# KiCad board Panel.kicad_pcb (continued)
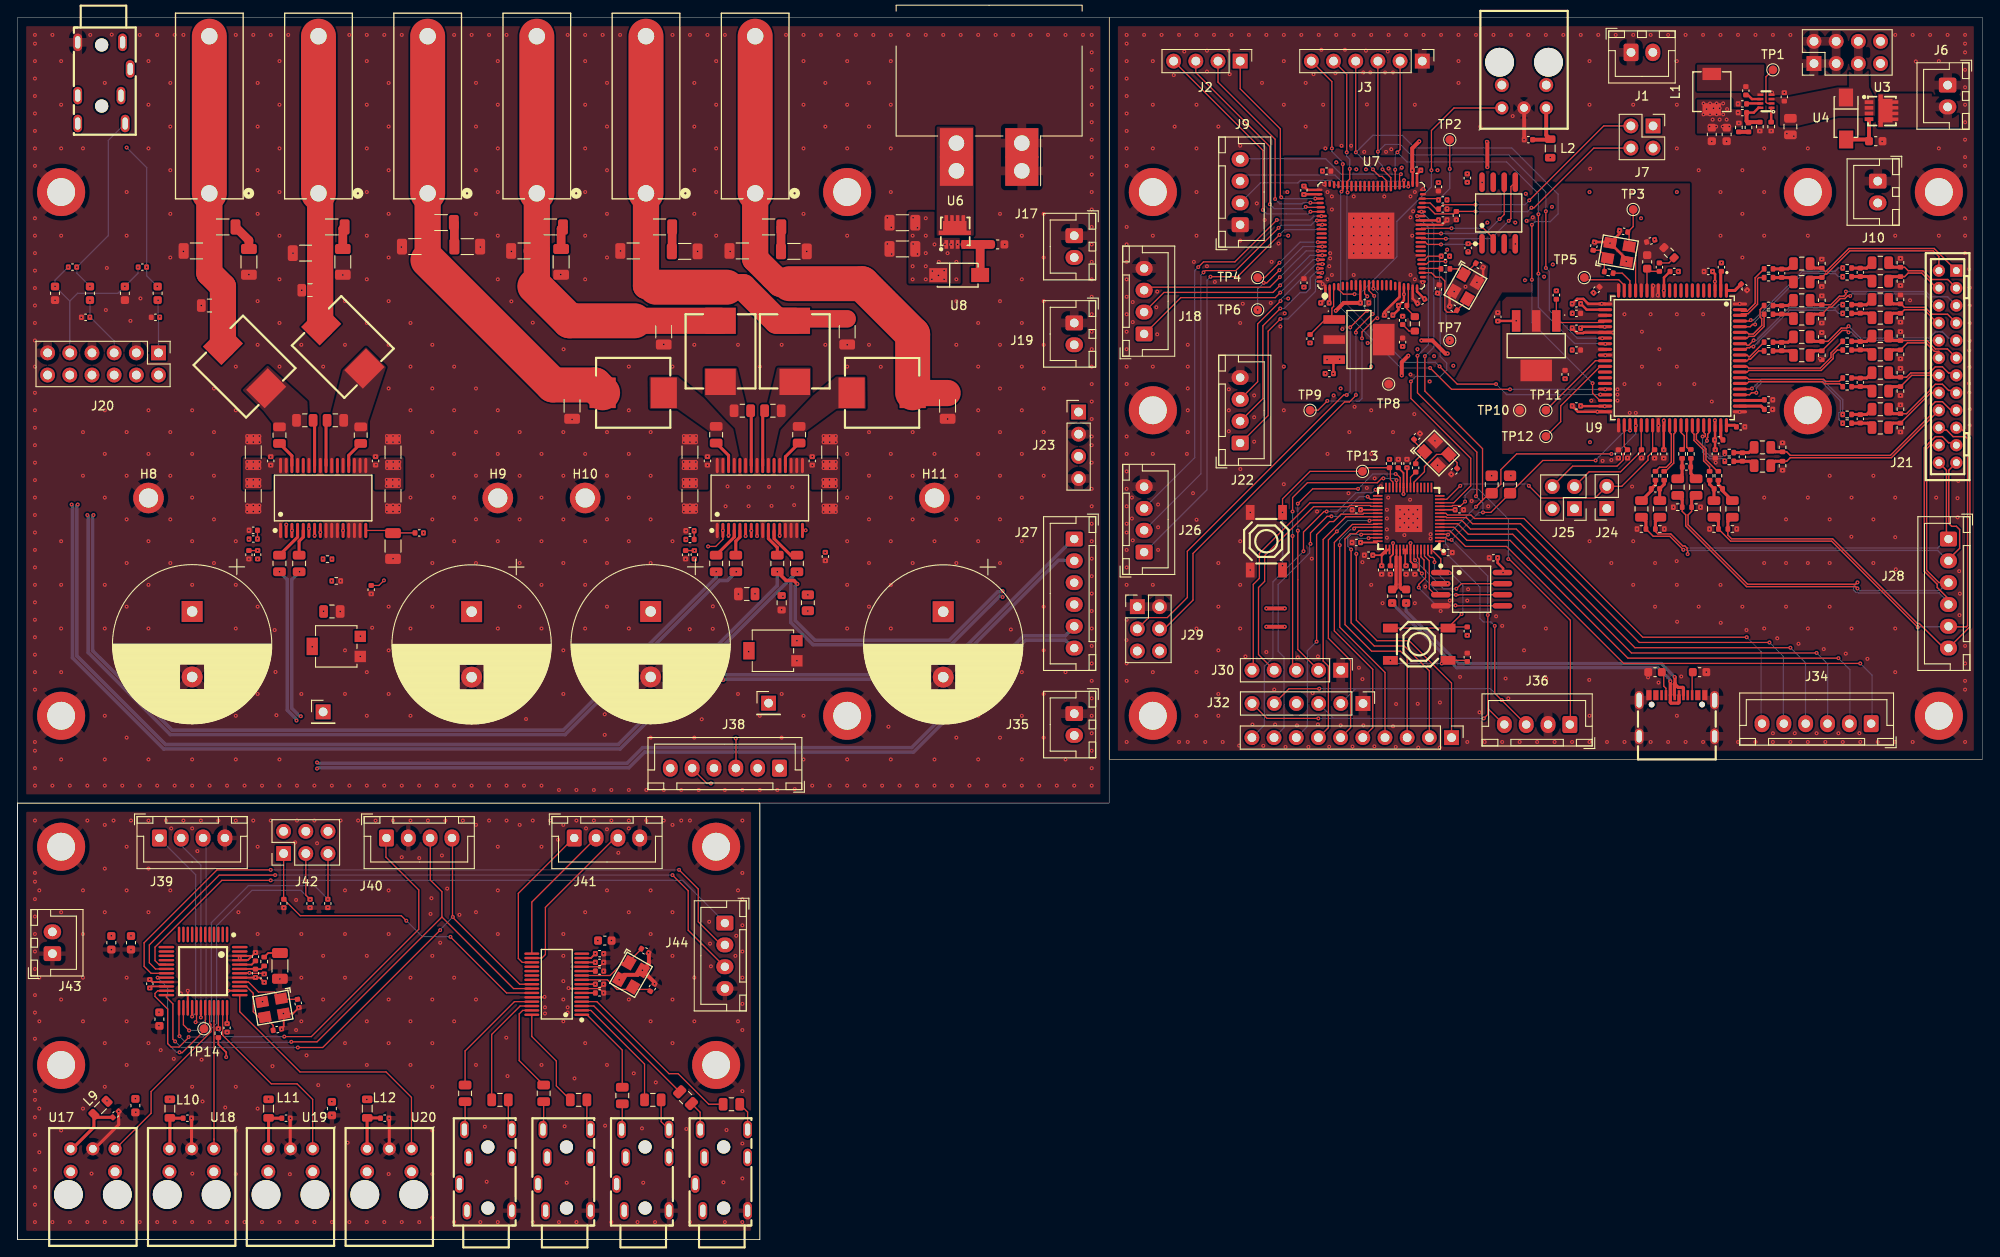
[diagram p0: board, top side]
## Routing (per net, layer and track width the routed paths; a pad name or vN(x,y) marks a point on that pad's centre or on a via; arc(x,y) is an arc through that point) (continued)
/ADAU1467/ADDITIONAL_BLCK: length 46.7
  Top w0.143: U7.73 149.31,117.25 v1(149.3,117.24) ; v1(144.2,116.8) 139.4,112 135.8,112 v1(135.2,111.4)
  Bottom w0.143: v1(144.2,116.8) 148,116.8 148.44,117.24 v1(149.3,117.24) ; 129,83.77 134.8,89.57 134.8,111 v1(135.2,111.4)
/ADAU1467/ADDITIONAL_LRCLK: length 48.4
  Top w0.143: U7.74 148.81,116.75 v1(148.79,116.74) ; v1(144.4,115.9) 139.5,111 136,111 v1(135.8,110.8)
  Bottom w0.143: v1(135.8,110.8) 135.5,110.5 135.5,87.73 129,81.23 ; v1(144.4,115.9) 144.7,116.2 148.1,116.2 148.64,116.74 v1(148.79,116.74)
/ADAU1467/ADDITIONAL_SDATA: length 50.1
  Top w0.143: U7.75 149.39,116.25 v1(149.4,116.26) ; v1(144.5,115.1) 139.7,110.3 v1(136.6,110.3)
  Bottom w0.143: v1(136.6,110.3) 136.2,109.9 136.2,85.89 129,78.69 ; v1(144.5,115.1) 145.1,115.7 148.84,115.7 v1(149.4,116.26)
/ADAU1467/AUXADC0: length 52.1
  Top w0.143: J29.3 129.51,71.25 131.65,71.25 133.95,73.55 133.95,78.85 151.85,96.75 v1(152.2,96.75) ; v1(152.6,104.5) 154.5,106.4 v1(154.55,106.4) ; v1(154.55,108.05) 154.25,108.35 U7.10
  Bottom w0.143: v1(154.55,108.05) 154.25,107.75 154.25,106.7 v1(154.55,106.4) ; v1(152.6,104.5) 152.6,97.15 v1(152.2,96.75)
/ADAU1467/AUXADC1: length 50.5
  Top w0.143: v1(153.25,96.75) 153.25,96.7 152.5,95.95 151.95,95.95 134.6,78.6 134.6,73.25 131.31,69.96 J29.4 ; v1(155.35,108.1) 154.75,108.7 U7.11 ; v1(155.18,106.03) 155.12,106.03 153.25,104.15 v1(153.25,103.9)
  Bottom w0.143: v1(155.35,108.1) 155.35,106.2 v1(155.18,106.03) ; v1(153.25,103.9) v1(153.25,96.75)
/ADAU1467/DAC_BLCK: length 58.2
  Top w0.143: U7.51 157.25,121.65 v1(156.3,122.6) ; U9.27 181.48,103.28 v1(181.45,103.25) ; v1(155.77,124.62) J3.3 ; v1(175,111.3) v1(175,117.8)
  Bottom w0.143: v1(156.3,122.6) 156.3,123 155.77,123.53 v1(155.77,124.62) 156.6,125.45 158.35,125.45 159.55,124.25 170.75,124.25 175,120 v1(175,117.8) ; v1(175,111.3) 175.4,110.9 175.4,106.45 178.6,103.25 v1(181.45,103.25)
/ADAU1467/DAC_DATA0: length 72.4
  Top w0.143: J3.4 153.23,124.57 v1(153.25,124.55) ; v1(180.35,98.1) 180.35,96.95 181.18,96.12 U9.38 ; v1(155.2,122.6) 155.2,122.55 155.95,121.8 156.25,121.8 156.75,121.3 U7.52 ; v1(173.4,109.95) v1(173.4,116.25)
  Bottom w0.143: v1(180.35,98.1) 173.4,105.05 v1(173.4,109.95) ; v1(173.4,116.25) 173.75,116.6 175.5,116.6 176.4,117.5 176.4,119.75 171.1,125.05 160,125.05 158.55,126.5 155.2,126.5 v1(153.25,124.55) v1(155.2,122.6)
/ADAU1467/DAC_DATA1: length 62.7
  Top w0.143: v1(152.3,119.95) 152.25,120 U7.61 152.25,121.2 152.55,121.5 v1(152.55,122.65) ; U9.37 181.28,96.77 v1(181.25,96.8) ; v1(162.82,100.03) 164.85,98 v1(169.3,98) ; J3.5 152.2,133.49 v1(152.2,124.55)
  Bottom w0.143: v1(169.3,98) 170.5,96.8 v1(181.25,96.8) ; v1(162.82,100.03) 162.35,100.5 158.85,100.5 152.22,107.12 152.22,119.87 v1(152.3,119.95) ; v1(152.55,122.65) 152.55,123.75 152.2,124.1 v1(152.2,124.55)
/ADAU1467/DAC_DATA2: length 64.1
  Top w0.143: v1(150.5,125) 150.5,132.65 J3.6 ; v1(151.75,123.2) U7.62 151.75,120.2 v1(151.6,120.05) ; v1(170.9,97.4) 164.2,97.4 v1(161.75,99.85) ; U9.36 181.78,97.42 v1(181.8,97.4)
  Bottom w0.143: v1(161.75,99.85) 158.4,99.85 151.5,106.75 151.5,119.95 v1(151.6,120.05) ; v1(181.8,97.4) v1(170.9,97.4) ; v1(151.75,123.2) 151.75,123.4 150.5,124.65 v1(150.5,125)
/ADAU1467/DAC_LRCLK: length 55
  Top w0.143: J3.2 158.31,124.86 v1(158,124.55) ; U9.28 181.78,102.62 v1(181.8,102.6) ; v1(174.15,110.65) v1(174.15,117.45) ; U7.50 v1(157.75,122.55)
  Bottom w0.143: v1(174.15,117.45) 174.15,119.8 170.5,123.45 159.1,123.45 v1(158,124.55) 157.75,124.3 v1(157.75,122.55) ; v1(174.15,110.65) 174.15,106.8 178.3,102.65 181.75,102.65 v1(181.8,102.6)
/ADAU1467/PCM1865_BLCK: length 20
  Top w0.143: 140,96.27 142,98.27 142,104.89 144.62,107.51 v1(144.62,107.52) ; U7.84 149.39,111.75 v1(149.4,111.74)
  Bottom w0.143: v1(144.62,107.52) 144.62,107.68 148.68,111.74 v1(149.4,111.74)
/ADAU1467/PCM1865_LRCLK: length 22.1
  Top w0.143: 140,93.73 142.6,96.33 142.6,104.67 v1(144.59,106.66) ; U7.85 v1(148.9,111.25)
  Bottom w0.143: v1(148.9,111.25) 148.9,111.09 148.02,110.2 148.02,108.97 147.53,108.48 146.86,108.48 145.04,106.66 v1(144.59,106.66)
/ADAU1467/PCM1865_SDATA: length 24.2
  Top w0.143: U7.86 v1(149.39,110.75) ; v1(144.6,105.46) 143.2,104.06 143.2,94.39 140,91.19
  Bottom w0.143: v1(149.39,110.75) 149.39,110.71 148.62,109.94 148.62,108.62 145.46,105.46 v1(144.6,105.46)
/ADAU1467/PCM9211_BLCK: length 22.2
  Top w0.143: v1(148.9,113.26) 148.91,113.25 U7.81 ; v1(144.54,110.25) 143.39,109.1 129.33,109.1 129,108.77
  Bottom w0.143: v1(148.9,113.26) 147.55,113.26 v1(144.54,110.25)
/ADAU1467/PCM9211_LRCLK: length 23.2
  Top w0.143: U7.82 149.39,112.75 v1(149.4,112.76) ; v1(144.57,109.31) 143.76,108.5 131.27,108.5 129,106.23
  Bottom w0.143: v1(149.4,112.76) 148.02,112.76 v1(144.57,109.31)
/ADAU1467/PCM9211_SDATA: length 23.8
  Top w0.143: v1(148.9,112.26) 148.91,112.25 U7.83 ; 129,103.69 129,103.7 133.2,107.9 144.01,107.9 v1(144.59,108.48)
  Bottom w0.143: v1(148.9,112.26) 148.37,112.26 v1(144.59,108.48)
/ADAU1467/SPDIFIN: length 34.2
  Top w0.143: v1(153.1,108.3) 151.82,108.3 151.25,108.87 U7.4 ; v1(161.9,122.5) 161.9,127.05 164.48,129.63 U1.1
  Bottom w0.143: v1(153.1,108.3) 153.65,108.3 157.95,112.6 157.95,116.65 161.9,120.6 v1(161.9,122.5)
/ADAU1467/SPI_MISO: length 9.6
  Top w0.143: U5.2 168.97,114.73 v1(167.7,116) ; v1(164.2,115.85) 160.77,115.85 U7.35
  Bottom w0.143: v1(167.7,116) 167.55,115.85 v1(164.2,115.85)
/ADAU1467/SPI_MOSI: length 15.7
  Top w0.143: U7.33 160.77,114.65 v1(163.55,114.65) ; U5.5 171,120.63 171,116.95 v1(170.75,116.7)
  Bottom w0.143: v1(170.75,116.7) 168.7,114.65 v1(163.55,114.65)
/ADAU1467/SPI_SCLK: length 14.2
  Top w0.143: v1(169.7,116.9) 170.23,117.43 U5.6 ; U7.34 v1(163,115.25)
  Bottom w0.143: v1(163,115.25) 168.05,115.25 v1(169.7,116.9)
/ADAU1467/SPI_SS: length 7.2
  Top w0.143: R16.2 v1(166.11,114.07) U5.1 ; v1(163,114) 161.45,114 161.2,114.25 U7.32
  Bottom w0.143: v1(166.11,114.07) 166.04,114 v1(163,114)
/ADAU1467_ADDR0: length 28.2
  Top w0.143: v1(173.1,119.05) 181.62,127.58 J7.3 ; U7.41 161.75,118.75 162.45,118.05 162.7,118.1 R7.2 163.22,118.55 v1(166.95,118.55)
  Bottom w0.143: v1(173.1,119.05) 172.6,118.55 v1(166.95,118.55)
/ADAU1467_ADDR1: length 27.5
  Top w0.143: R8.2 164.47,117.5 162.3,117.5 161.55,118.25 U7.40 ; R8.2 164.77,117.8 164.75,117.8 R8.2 ; R8.2 v1(166.95,117.78) ; v1(173.35,118.2) 173.65,118.2 180.49,125.03 J7.4
  Bottom w0.143: v1(166.95,117.78) 166.98,117.75 172.9,117.75 v1(173.35,118.2)
/ADAU1467_RESET: length 39.8
  Top w0.143: v1(159.55,98.3) 159.55,96.35 166.4,89.5 166.4,86.35 164.45,84.4 U12.12 ; v1(163.02,112.65) 161.5,112.65 161.1,112.25 U7.28
  Bottom w0.143: v1(159.55,98.3) 160.15,98.9 162.95,98.9 163.65,99.6 163.65,100.4 162.9,101.15 162.9,108.1 163.03,108.22 163.03,108.58 162.85,108.75 162.85,112.48 v1(163.02,112.65)
/ADAU1962A/CM: length 3
  Top w0.35: U9.62 199.65,95.47 C91.1
/ADAU1962A/DAC1N: length 50.5
  Top w0.16: J21.23 221.13,88.14 221.13,82.03 221.46,81.71 222,81.71 222.38,81.33 222.38,79.19 221,77.81 ; R80.1 187.54,81.12 187.83,80.83 189.31,80.83 190.69,79.45 190.92,79.45 191.18,79.2 191.18,78.97 191.24,78.9 v1(191.24,78.52)
  Top w0.35: C132.1 187.54,82.24 R80.1
  Bottom w0.16: 221,77.81 219.86,78.95 191.36,78.95 191.24,78.83 v1(191.24,78.52)
/ADAU1962A/DAC1P: length 46.7
  Top w0.16: R79.1 187.3,80.56 189.2,80.56 v1(190.74,79.02) ; J21.24 220.87,88.14 220.87,80.49 221,80.35
  Top w0.35: R79.1 186.46,82.24 C131.2
  Bottom w0.16: 221,80.35 219.86,79.22 191.24,79.22 191.05,79.02 v1(190.74,79.02)
/ADAU1962A/DAC2N: length 62.5
  Top w0.16: J21.21 221.73,91.27 221.12,91.27 220.41,91.98 219.59,91.98 218.9,91.29 218.9,91.27 218.33,90.7 218.33,76.55 219.81,75.07 219.81,74.7 221,73.51 221,72.73 ; v1(210.68,75.28) 210.47,75.07 198.09,75.07 191.28,81.88 191.28,83.01 191.69,83.42 R78.1
  Top w0.35: R78.1 191.69,84.74 C124.1
  Bottom w0.16: 221,72.73 221,73.12 220.05,74.07 210.81,74.07 210.73,74.15 210.5,74.15 210.25,74.4 210.25,74.85 v1(210.68,75.28)
/ADAU1962A/DAC2P: length 55.8
  Top w0.16: J21.22 219.01,91 218.6,90.59 218.6,76.66 219.99,75.27 221,75.27 ; R77.1 190.61,83.42 191.01,83.01 191.01,81.76 197.98,74.8 210.47,74.8 v1(210.68,74.58)
  Top w0.35: C123.2 190.61,84.74 R77.1
  Bottom w0.16: v1(210.68,74.58) 210.92,74.34 220.07,74.34 221,75.27
/ADAU1962A/DAC3N: length 60.5
  Top w0.16: R82.1 195.84,80.7 196.27,80.28 207.84,80.28 217.54,70.57 217.76,70.57 220.68,67.65 221,67.65 223.56,70.2 223.56,91.86 222.42,93 J21.19 221.73,93.27
  Top w0.35: R82.1 195.84,82.24 C134.1
/ADAU1962A/DAC3P: length 60.1
  Top w0.16: 221,70.19 223.16,70.19 223.29,70.32 223.29,91.75 223.06,91.98 221.63,91.98 220.88,92.73 220.27,92.73 J21.20 ; R81.1 196.16,80 207.72,80 217.59,70.14 v1(217.59,70.14)
  Top w0.35: C133.2 194.76,82.24 R81.1
  Bottom w0.16: v1(217.59,70.14) 217.64,70.19 221,70.19
/ADAU1962A/DAC_BIAS1: length 1.8
  Top w0.35: C104.1 195.03,91.85 U9.59
/ADAU1962A/DAC_BIAS2: length 1.2
  Top w0.35: U9.60 196.64,93.28 C97.2
/ADAU1962A/DAC_BIAS3: length 2
  Top w0.35: C45.2 196.64,108.72 U9.1
/ADAU1962A/DAC_BIAS4: length 2.2
  Top w0.35: C37.1 195.03,110.85 U9.2
/ADAU1962A/DAC_Filter1/DACxN: length 14.3
  Top w0.16: U9.77 198.36,105.23 v1(198.47,105.33)
  Bottom w0.16: v1(198.47,105.33) 198.77,105.33 204.38,110.94 208.14,110.94 208.51,111.3 v1(208.99,111.3)
/ADAU1962A/DAC_Filter1/DACxP: length 14.6
  Top w0.16: U9.76 198.4,104.58 198.66,104.83 v1(198.96,104.83)
  Bottom w0.16: v1(208.99,110.3) 208.51,110.3 208.14,110.66 204.49,110.66 198.96,105.14 v1(198.96,104.83)
/ADAU1962A/DAC_Filter1/OUTPUTxN: length 9
  Top w0.16: J21.3 221.02,109.98 219.16,109.98 218.16,110.99 216.49,110.99 216.08,111.39 R19.1
  Top w0.35: R19.1 214.76,111.39 C33.1
/ADAU1962A/DAC_Filter1/OUTPUTxP: length 6.8
  Top w0.16: J21.4 219.76,109 218.04,110.72 216.49,110.72 216.08,110.31 R29.1
  Top w0.35: R29.1 214.76,110.31 C42.2
/ADAU1962A/DAC_Filter2/DACxN: length 5.5
  Top w0.16: R35.1 199.65,106.66 199.65,106.65 199.53,106.53 199.53,105.68 199.72,105.49 199.72,104.71 198.74,103.74 198.23,103.74 198.04,103.93 U9.75
/ADAU1962A/DAC_Filter2/DACxP: length 4.7
  Top w0.16: U9.74 198.04,103.28 198.23,103.47 198.86,103.47 199.99,104.6 R37.1
/ADAU1962A/DAC_Filter2/OUTPUTxN: length 18.4
  Top w0.16: v1(209.35,108.6) 209.35,108.29 209.13,108.07 208.61,108.07 207.63,107.09 R33.1
  Top w0.35: R33.1 205.76,107.09 C54.1
  Bottom w0.16: J21.5 221,108 219.11,108 218.5,108.6 v1(209.35,108.6)
/ADAU1962A/DAC_Filter2/OUTPUTxP: length 16.5
  Top w0.16: v1(209.85,108.1) 209.54,108.1 209.24,107.8 208.72,107.8 207.74,106.82 207.41,106.82 R41.1
  Top w0.35: R41.1 205.76,106.01 C68.2
  Bottom w0.16: v1(209.85,108.1) 210.07,108.33 218.39,108.33 219.72,107 J21.6
/ADAU1962A/DAC_Filter3/DACxN: length 13.8
  Top w0.16: v1(198.79,103.01) 198.22,102.44 198.05,102.44 197.86,102.63 U9.73
  Bottom w0.16: v1(198.79,103.01) 199.09,103.01 202.82,106.73 208.14,106.73 208.51,107.1 v1(208.99,107.1)
/ADAU1962A/DAC_Filter3/DACxP: length 13.8
  Top w0.16: U9.72 197.86,101.98 198.05,102.17 198.33,102.17 198.46,102.3 v1(198.76,102.3)
  Bottom w0.16: v1(208.99,106.1) 208.51,106.1 208.14,106.47 202.93,106.47 v1(198.76,102.3)
/ADAU1962A/DAC_Filter3/OUTPUTxN: length 8.9
  Top w0.16: R32.1 215.65,107.19 216.06,106.78 218.43,106.78 219.21,106.01 220.99,106.01 J21.7
  Top w0.35: R32.1 214.76,107.19 C53.1
/ADAU1962A/DAC_Filter3/OUTPUTxP: length 6.8
  Top w0.16: R40.1 215.65,106.11 216.06,106.52 218.31,106.52 219.83,105 J21.8
  Top w0.35: C67.2 214.76,106.11 R40.1
/ADAU1962A/DAC_Filter4/DACxN: length 3.5
  Top w0.16: R47.1 198.33,101.14 198.23,101.14 198.04,101.33 U9.71
/ADAU1962A/DAC_Filter4/DACxP: length 3.2
  Top w0.16: R49.1 199.37,101.8 198.44,100.87 198.23,100.87 198.04,100.68 U9.70
/ADAU1962A/DAC_Filter4/OUTPUTxN: length 18.9
  Top w0.16: R44.1 207.3,102.89 208.83,104.42 209.45,104.42 v1(209.66,104.63)
  Top w0.35: R44.1 205.76,102.89 C74.1
  Bottom w0.16: J21.9 221.73,103.27 221.12,103.27 220.41,103.98 219.59,103.98 218.88,103.27 211.02,103.27 v1(209.66,104.63)
/ADAU1962A/DAC_Filter4/OUTPUTxP: length 16.4
  Top w0.16: R51.1 208.94,104.15 209.45,104.15 v1(209.66,103.93)
  Top w0.35: C80.2 205.76,101.81 R51.1
  Bottom w0.16: J21.10 210.91,103 209.98,103.93 v1(209.66,103.93)
/ADAU1962A/DAC_Filter5/DACxN: length 13.4
  Top w0.16: R46.1 207.65,101.56 207.65,101.06 206.43,99.83 198.23,99.83 198.04,100.02 U9.69
/ADAU1962A/DAC_Filter5/DACxP: length 13.1
  Top w0.16: R48.1 208.37,101.9 207.9,101.43 207.9,100.92 206.54,99.56 198.23,99.56 198.04,99.37 U9.68
/ADAU1962A/DAC_Filter5/OUTPUTxN: length 8.8
  Top w0.16: R43.1 218.62,102.99 219.59,102.02 220.98,102.02 J21.11
  Top w0.35: R43.1 214.76,102.99 C73.1
/ADAU1962A/DAC_Filter5/OUTPUTxP: length 7.4
  Top w0.16: R50.1 216.41,102.72 218.51,102.72 219.48,101.75 220,101.75 J21.12
  Top w0.35: C79.2 214.76,101.91 R50.1
/ADAU1962A/DAC_Filter6/DACxN: length 12.1
  Top w0.16: R53.1 208.59,98.3 207.04,98.3 206.81,98.53 198.23,98.53 198.04,98.72 U9.67
/ADAU1962A/DAC_Filter6/DACxP: length 12.1
  Top w0.16: R54.1 208.66,98.03 206.93,98.03 206.69,98.26 198.23,98.26 198.04,98.07 U9.66
/ADAU1962A/DAC_Filter6/OUTPUTxN: length 8.9
  Top w0.16: J21.13 221.73,99.27 221.12,99.27 220.41,99.98 219.59,99.98 218.88,99.27 216.78,99.27 216.3,98.79 R52.1
  Top w0.35: C81.1 214.76,98.79 R52.1
/ADAU1962A/DAC_Filter6/OUTPUTxP: length 6.5
  Top w0.16: J21.14 216.89,99 R55.1
  Top w0.35: R55.1 214.76,97.71 C85.2
/ADAU1962A/DAC_Filter7/DACxN: length 14.9
  Top w0.16: v1(198.6,97.5) 198.6,97.44 198.58,97.42 U9.65
  Bottom w0.16: v1(198.6,97.5) 198.66,97.5 199.69,98.53 206.66,98.53 208.99,96.2 v1(208.99,94.52)
/ADAU1962A/DAC_Filter7/DACxP: length 16.2
  Top w0.16: v1(199.1,97) 198.54,97 198.32,96.77 U9.64
  Bottom w0.16: v1(199.1,97) 199.1,97.56 199.81,98.27 206.54,98.27 208.72,96.09 208.72,94.86 208.56,94.7 208.56,93.95 v1(208.99,93.52)
/ADAU1962A/DAC_Filter7/OUTPUTxN: length 9.8
  Top w0.16: R56.1 216.3,94.61 219.02,97.33 219.02,97.41 219.59,97.98 220.41,97.98 221.12,97.27 221.73,97.27 J21.15
  Top w0.35: R56.1 214.76,94.61 C90.1
/ADAU1962A/DAC_Filter7/OUTPUTxP: length 7.4
  Top w0.16: R59.1 219.07,97 J21.16
  Top w0.35: C98.2 214.76,93.53 R59.1
/ADAU1962A/DAC_Filter8/DACxN: length 5.8
  Top w0.16: v1(193.44,91.5) 193.44,91.8 193.54,91.89 193.54,92.27 193.73,92.46 U9.57
  Bottom w0.16: v1(195.49,89.94) 195.27,89.73 193.81,89.73 193.22,90.32 193.22,91.27 v1(193.44,91.5)
/ADAU1962A/DAC_Filter8/DACxP: length 6.4
  Top w0.16: U9.56 193.08,92.46 193.27,92.27 193.27,92.01 193.25,91.99 v1(192.95,91.99)
  Bottom w0.16: v1(195.49,89.24) 195.27,89.46 193.7,89.46 192.95,90.21 v1(192.95,91.99)
/ADAU1962A/DAC_Filter8/OUTPUTxN: length 25.2
  Top w0.16: R60.1 202.58,90.24 202.99,89.83 214.46,89.83 219.02,94.4 219.02,95.41 219.59,95.98 220.41,95.98 221.39,95 J21.17
  Top w0.35: C105.1 201.26,90.24 R60.1
/ADAU1962A/DAC_Filter8/OUTPUTxP: length 21.9
  Top w0.16: J21.18 214.56,89.56 202.99,89.56 202.58,89.16 R69.1
  Top w0.35: C120.2 201.26,89.16 R69.1
/ADAU1962A/DAC_Filter9/DACxN: length 6.5
  Top w0.16: U9.55 192.43,92.46 192.24,92.27 192.24,91.66 193.34,90.56 193.34,89.32 194.64,88.01 R74.1
/ADAU1962A/DAC_Filter9/DACxP: length 6.1
  Top w0.16: U9.54 191.78,92.46 191.97,92.27 191.97,91.54 193.06,90.44 193.06,89.21 193.75,88.52 R73.1
/ADAU1962A/DAC_Filter10/DACxN: length 3.1
  Top w0.16: U9.53 191.13,90.77 191.39,90.51 R66.1
/ADAU1962A/DAC_Filter10/DACxP: length 3
  Top w0.16: R65.1 190.85,90.76 190.85,92.08 190.48,92.46 U9.52
/ADAU1962A/DAC_Filter11/DACxN: length 5.9
  Top w0.16: U9.51 189.82,92.46 189.63,92.27 189.63,88.94 188.7,88.01 R72.1
/ADAU1962A/DAC_Filter11/DACxP: length 6.5
  Top w0.16: U9.50 189.17,92.46 189.36,92.27 189.36,89.06 188.78,88.47 188.01,88.47 R71.1
/ADAU1962A/DAC_Filter/DACxN: length 6.6
  Top w0.16: U9.79 197.41,106.34 198.04,106.34 198.97,107.26 198.97,110.17 R25.1
/ADAU1962A/DAC_Filter/DACxP: length 6.3
  Top w0.16: U9.78 197.41,106.07 198.16,106.07 199.24,107.14 199.24,110.06 199.37,110.2 R28.1
/ADAU1962A/DAC_Filter/OUTPUTxN: length 19.3
  Top w0.16: R20.1 207,110.88 207.04,110.88 209.69,113.53 219.47,113.53 J21.1
  Top w0.35: C34.1 205.76,111.29 R20.1
/ADAU1962A/DAC_Filter/OUTPUTxP: length 18.1
  Top w0.16: J21.2 220,112.62 219.35,113.27 209.81,113.27 207.16,110.62 207,110.62 R30.1
  Top w0.35: R30.1 205.76,110.21 C43.2
/ADAU1962A/LF: length 4
  Top w0.143: U9.15 186.57,111.2 C32.2 186.91,110.92 C36.2
/ADAU1962A/TS_REF: length 2.8
  Top w0.35: C86.1 199.94,96.12 U9.63
/ADAU1962A/VDRIVE: length 8.2
  Top w0.143: U9.24 181.6,105.05 176.38,105.05 REF2.1 R31.1
/ADAU1962A/XTALI: length 9.9
  Top w0.143: TP3.1 185,116.04 C16.2 184.37,115.28 184.54,115.11 Y1.3 185.27,113.04 U9.17
/ADAU1962A/XTALO: length 3.4
  Top w0.143: U9.18 184.62,109.83 183.74,110.71 R26.1
/ADAU1962A_ADDR0: length 12.3
  Top w0.143: U9.45 185.92,90.51 R63.2 185.95,90.35 183.55,87.95 179.95,87.95 179.42,87.42 179.42,87.41 J25.3
/ADAU1962A_ADDR1: length 13.7
  Top w0.143: J25.4 178.07,88.6 183.15,88.6 183.85,89.3 183.85,89.98 R62.2 183.97,90.86 U9.42
/ADAU1962A_RESET: length 31.4
  Top w0.143: v1(173.05,86.35) 174.45,84.95 180.63,84.95 J24.2 183.69,86.29 186.7,89.3 186.7,89.73 R64.1 187.22,90.71 U9.47 ; U12.13 163.65,84.8 v1(165.2,86.35)
  Bottom w0.143: v1(165.2,86.35) 165.4,86.55 172.85,86.55 v1(173.05,86.35)
